# Altium PCB distance_sensor.PcbDoc
Units mil, origin at the board's own origin, x right, y up, seen from the top; angles counter-clockwise.
Board outline 2204.72 x 1102.36 mil, 4 copper layers (Top Layer, Layer 1, Layer 2, Bottom Layer), stack 62.449 mil thick; 56 components, 45 nets, 178 pads, 168 vias.
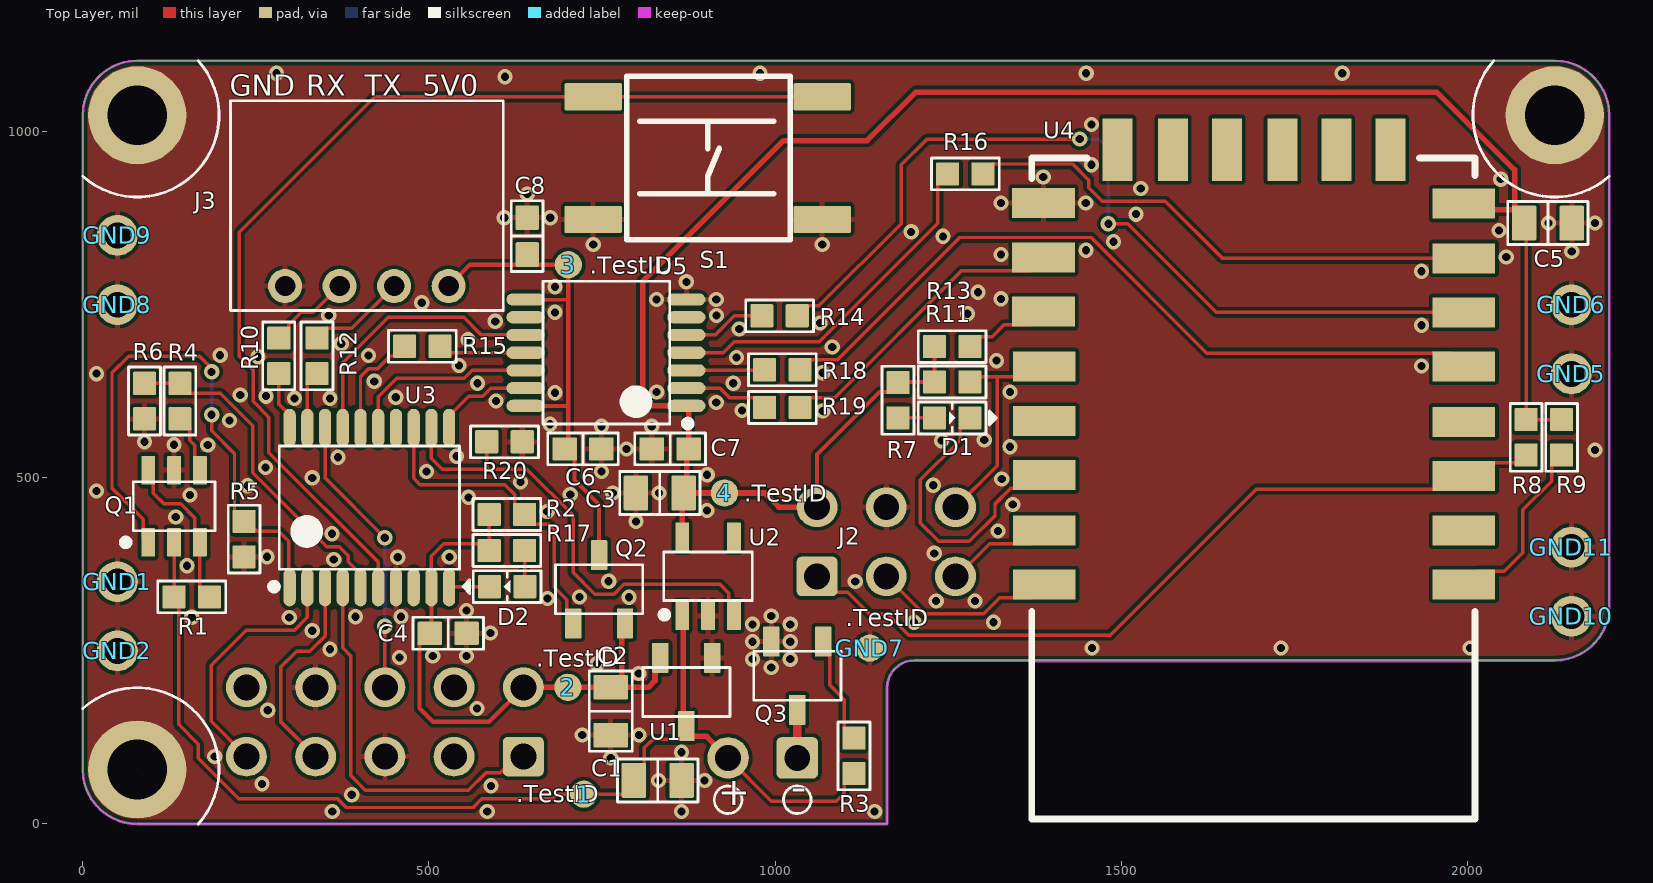
[diagram p0: Top Layer view]
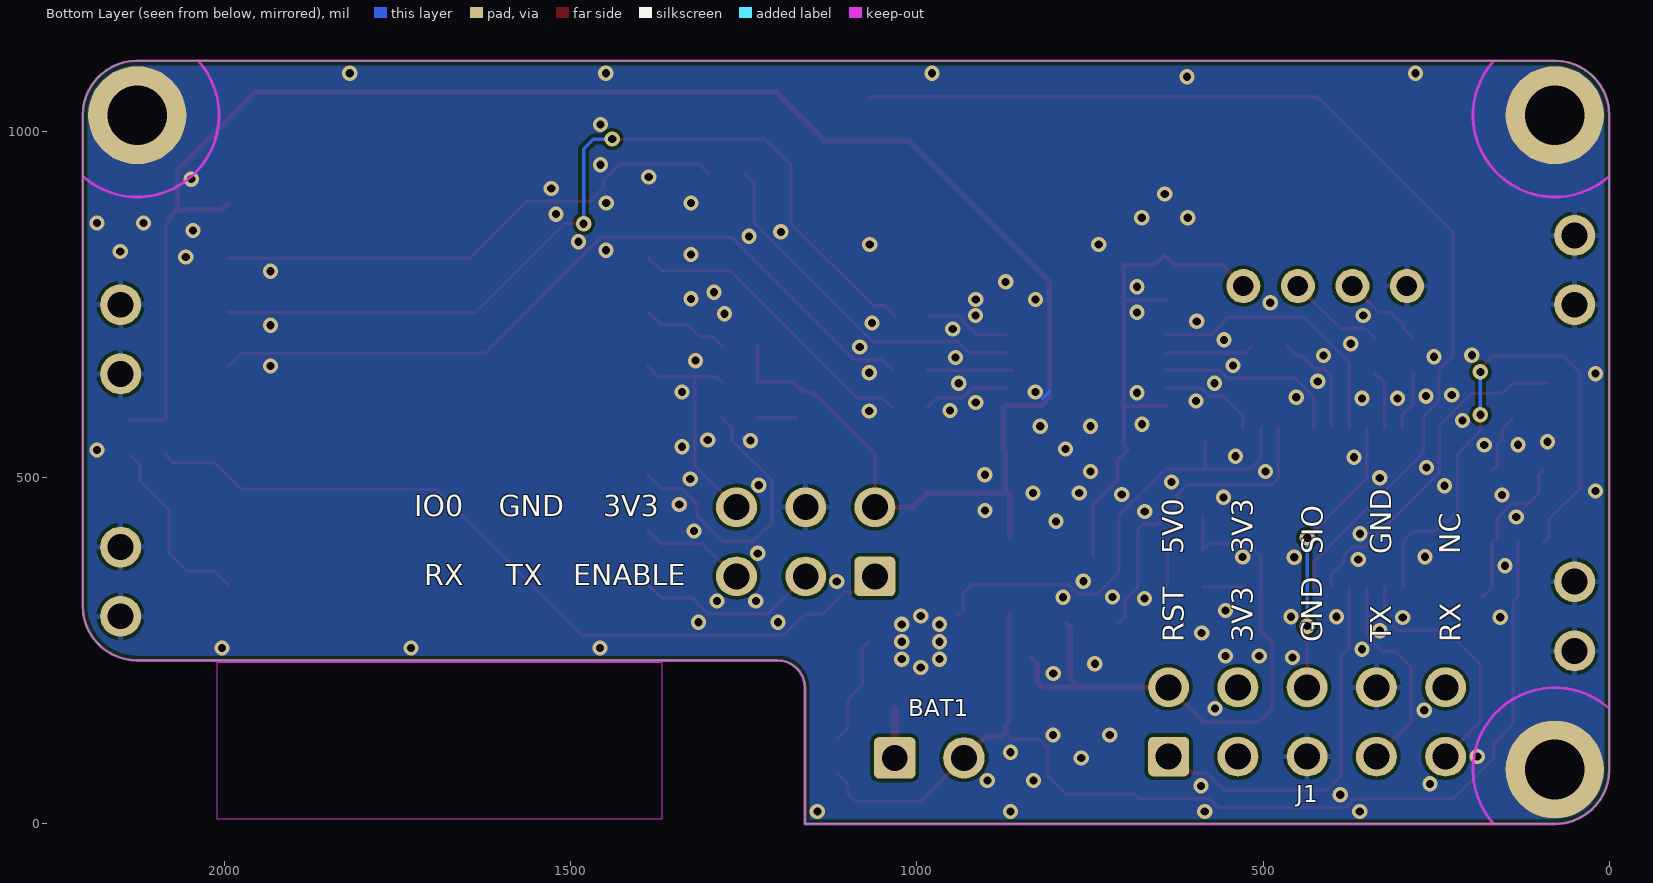
[diagram p1: Bottom Layer view, seen from below]
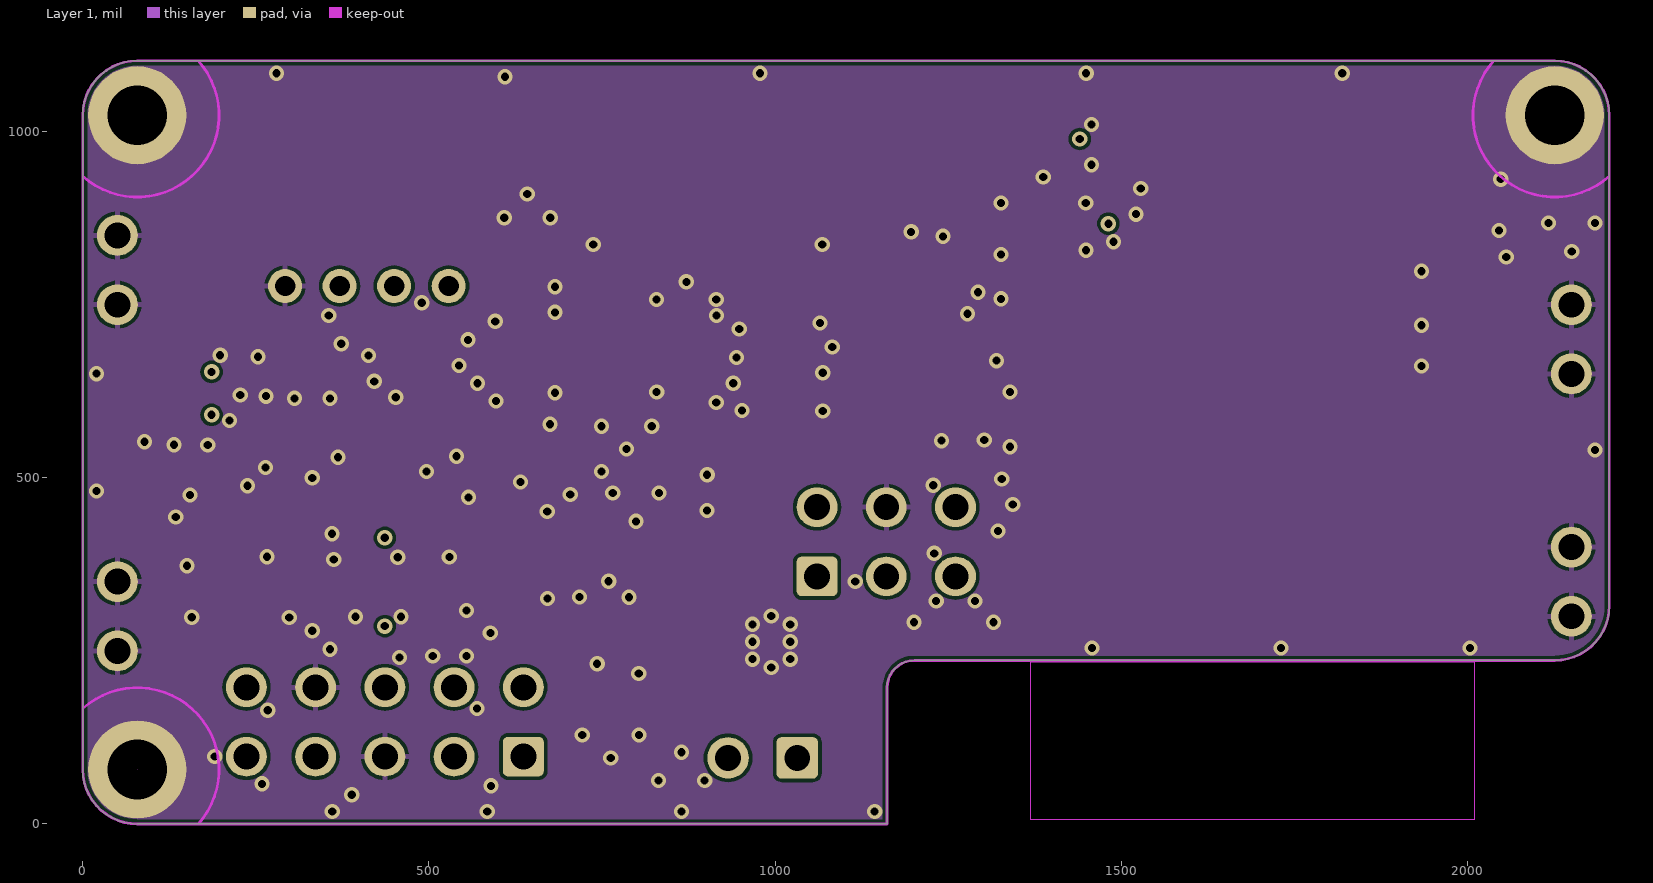
[diagram p2: Layer 1]
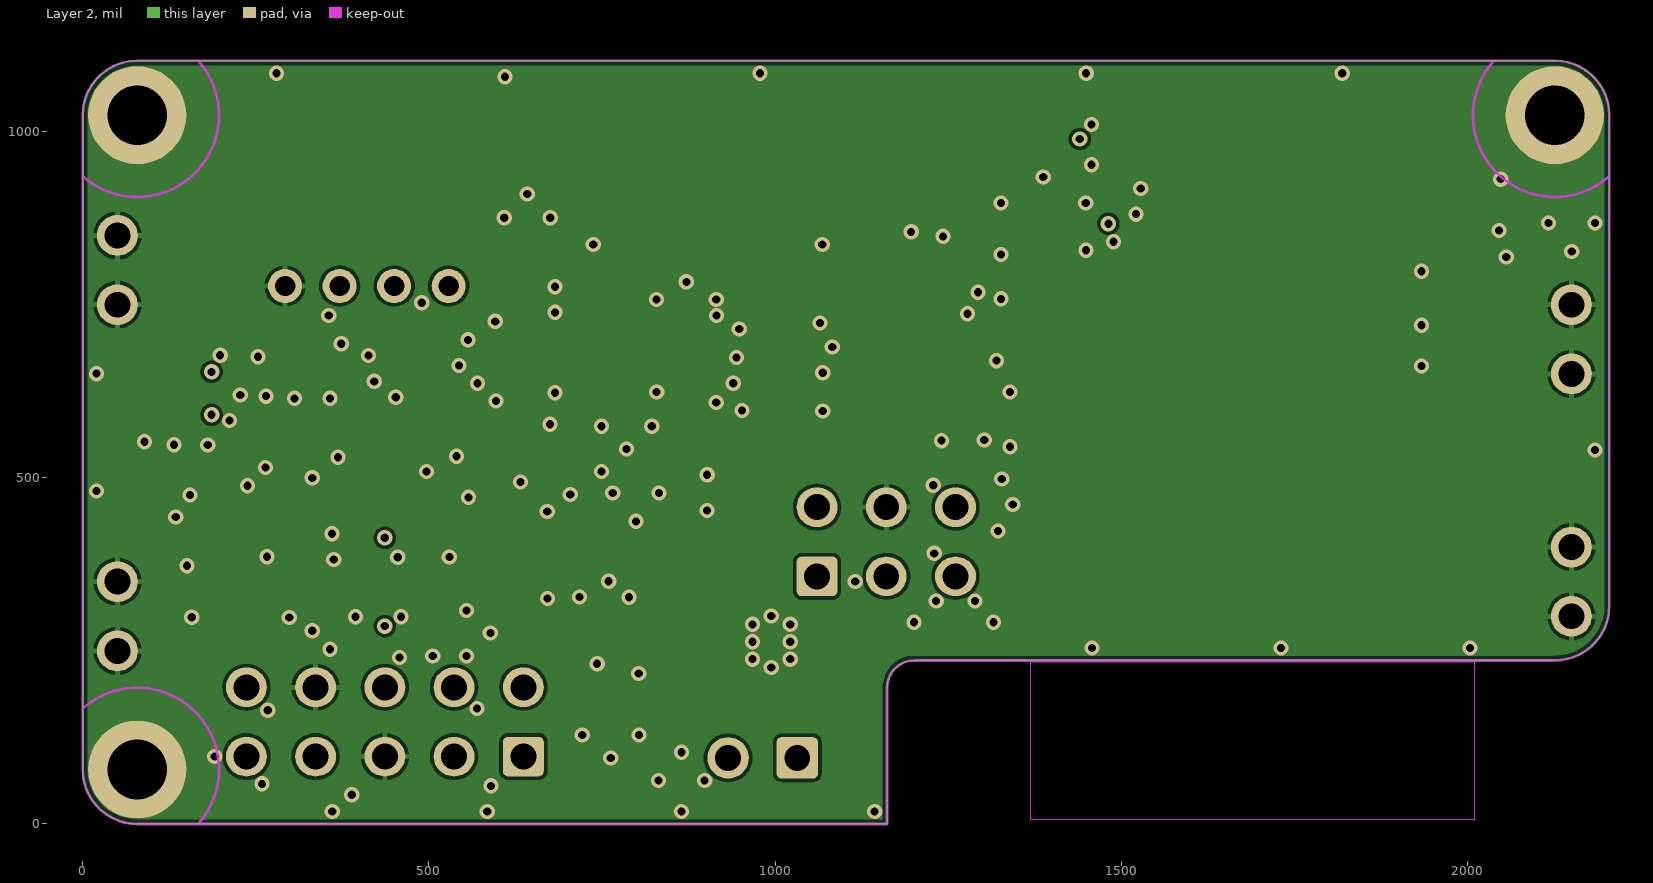
[diagram p3: Layer 2]
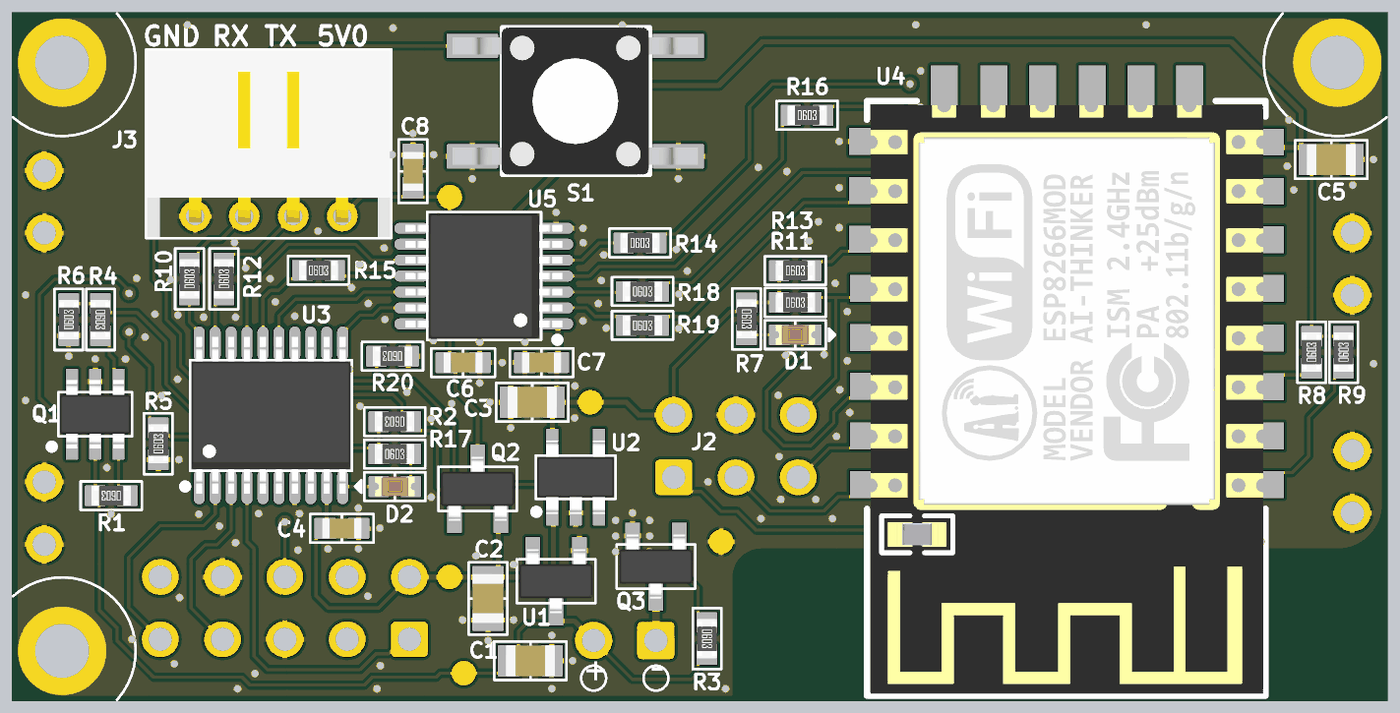
[diagram p4: 3D render of the assembled board from above, using the file's embedded part models]

## Layer stack, top to bottom
Top Solder: solder mask 0.8, SM-001, Dk 3.8
Top Layer: signal copper 1.378
Dielectric 2: prepreg 8.2835, PP-006, Dk 4.6
Layer 1: signal copper 0.5984
Dielectric 1: core 41.9291, Core-043, Dk 4.6
Layer 2: signal copper 0.5984
Dielectric 3: prepreg 8.2835, PP-006, Dk 4.6
Bottom Layer: signal copper 1.378
Bottom Solder: solder mask 0.8, SM-001, Dk 3.8

## Board outline
0,78.74 ccw(c78.74,78.74) 78.74,0 1161.73,0 1161.73,196.85 cw(c1201.1,196.85) 1201.1,236.22 2125.98,236.22 ccw(c2125.98,314.96) 2204.72,314.96 2204.72,1023.62 ccw(c2125.98,1023.62) 2125.98,1102.36 78.74,1102.36 ccw(c78.74,1023.62) 0,1023.62

## Design rules (kind name [scope] priority, off if disabled: settings)
BoardOutlineClearance [(Not Layer='Top Overlay') And (Not Layer='Bottom Overlay')] p1: gap=7.87 ignorepadtopadclearanceinfootprint=FALSE
Clearance [All] p1: gap=5 ignorepadtopadclearanceinfootprint=FALSE
ComponentClearance [All] p1: gap=6 collisioncheckmode=3 verticalgap=10 showdistances=FALSE
DiffPairsRouting [All] p1: maxlimit=10 minlimit=6 mostfreqgap=6 toplayer_minwidth=6 toplayer_maxwidth=15 toplayer_prefwidth=6 midlayer1_minwidth=6 midlayer1_maxwidth=15 midlayer1_prefwidth=6 midlayer2_minwidth=6 midlayer2_maxwidth=15 midlayer2_prefwidth=6 bottomlayer_minwidth=6 bottomlayer_maxwidth=15 bottomlayer_prefwidth=6 maxuncoupledlength=500
Height [All] p1: minheight=0 maxheight=39370.08 prefheight=500
HoleSize [All] p1: absolutevalues=TRUE maxlimit=137.8 minlimit=11.81 maxpercent=80.000 minpercent=20.000
MatchedLengths USB_MatchedLengths [InDifferentialPair('USB_D')] p1: tolerance=1000 checknetsindiffpair=TRUE checkdiffpairvsdiffpair=FALSE checkxsignals=FALSE checkothers=FALSE usedelayunits=TRUE delaytolerance=100.000000
MinimumAnnularRing [All] p1: minimumring=5.12
MinimumSolderMaskSliver [All] p1: minsoldermaskwidth=3.94
PolygonConnect PolygonConnect_GNDs [InNet('GND') AND IsVia] p1: connectstyle=Direct reliefconductorwidth=10 reliefentries=4 polygonreliefangle="90 Angle" airgapwidth=10
PolygonConnect PolygonConnect_5V0 [InNet('5V0')] p2: connectstyle=Direct reliefconductorwidth=10 reliefentries=4 polygonreliefangle="90 Angle" airgapwidth=10
PolygonConnect [All] p3: connectstyle=Relief reliefconductorwidth=8 reliefentries=4 polygonreliefangle="90 Angle" airgapwidth=5
RoutingVias [All] p1: holewidth=28 width=50 viastyle="Through Hole" minholewidth=28 minwidth=50 maxholewidth=28 maxwidth=50 useviatemplates=TRUE viatemplateguid#1={5EB3F9BA-0AF8-45F1-97F0-757BA6180F07} viatemplateguid#2={04D04901-D570-4B55-AAA3-EBBE5F0C72E5} viatemplateguid#3={AC456A95-250B-4566-B124-22D40CE62818} viatemplateguid#4={4828A57B-8FA2-403F-AF74-A9B4A8E674C8} viatemplatename#1=GND_PIN viatemplatename#2=GND_VIA viatemplatename#3=PWR_VIA viatemplatename#4=SIGNAL_VIA
SilkToSilkClearance [False] p1: silktosilkclearance=10
SilkToSolderMaskClearance [False] p1: minsilkscreentomaskgap=10 clearancetoexposedcopper=TRUE
SolderMaskExpansion [All] p1: expansion=1.5 istentingtop=FALSE
Width [All] p1: maxlimit=100 minlimit=5 preferedwidth=10 toplayer_prefwidth=5 midlayer1_minwidth=10 midlayer1_maxwidth=10 midlayer2_minwidth=10 midlayer2_maxwidth=10 bottomlayer_prefwidth=5 minimp=50.000000 maximp=50.000000 favimp=50.000000
23 further rules are at their usual default settings.

## Components (designator, comment, footprint, x,y, rotation, side; value= is the part's Value field where it differs from the comment)
1 "TESTPOINT" TESTPOINT 723.62,43 r0 top
2 "TESTPOINT" TESTPOINT 700.69,197.43 r0 top
3 "TESTPOINT" TESTPOINT 701.25,807.78 r0 top
4 "TESTPOINT" TESTPOINT 926.77,478.06 r0 top
BAT1 "BATTERY" 2X0.1HEADER 982,95.5 r180 bottom
C1 "2.2u" "CAP 0805_2012" 830.44,62.94 r180 top
C2 "2.2u" "CAP 0805_2012" 762.5,162.93 r90 top
C3 "2.2u" "CAP 0805_2012" 833.45,478.06 r0 top
C4 "1u" "CAP 0603_1608" 527.82,275.47 r180 top
C5 "100n" "CAP 0805_2012" 2116.18,867.92 r180 top
C6 "100n" "CAP 0603_1608" 722.5,541.78 r180 top
C7 "100n" "CAP 0603_1608" 848.39,541.78 r0 top
C8 "100n" "CAP 0603_1608" 641.93,849.07 r270 top
D1 "" "SMT_LED 0603_RED" 1255.72,586.44 r0 top
D2 "" "SMT_LED 0603_RED" 613,342.75 r180 top
GND1 "TESTPOINT" TESTPAD 50,350 r0 top
GND2 "TESTPOINT" TESTPAD 50,250 r0 top
GND5 "TESTPOINT" TESTPAD 2150,650 r0 top
GND6 "TESTPOINT" TESTPAD 2150,750 r0 top
GND7 "TESTPOINT" TESTPOINT 1136.8,254.07 r0 top
GND8 "TESTPOINT" TESTPAD 50,750 r0 top
GND9 "TESTPOINT" TESTPAD 50,850 r0 top
GND10 "TESTPOINT" TESTPAD 2150,300 r0 top
GND11 "TESTPOINT" TESTPAD 2150,400 r0 top
J1 "CH32_PROG" CH32_PROG 436.3,147.43 r180 bottom
J2 "ESP_PROG" ESP_PROG 1160.55,407.61 r0 top
J3 "RCWL-1670" JST_PH_4WAY 292.26,777 r0 top
Q1 "MOSFET-NP" DMG6601LVT 131.88,458.84 r90 top
Q2 "MOSFET-P" SOT95P230X110-3L 745.75,339 r0 top
Q3 "MOSFET-N" SOT95P230X110-3L 1032,214.17 r180 top
R1 "20K" "RES 0603_1608" 157.47,328 r180 top
R2 "20K" "RES 0603_1608" 612.59,447 r180 top
R3 "20K" "RES 0603_1608" 1114,98.41 r270 top
R4 "10K" "RES 0603_1608" 140.29,610.86 r270 top
R5 "20K" "RES 0603_1608" 233.1,411.41 r90 top
R6 "10K" "RES 0603_1608" 89.25,610.86 r90 top
R7 "4.7K" "RES 0603_1608" 1177.46,612.03 r270 top
R8 "10K" "RES 0603_1608" 2084.68,558.51 r90 top
R9 "10K" "RES 0603_1608" 2135.86,558.51 r90 top
R10 "22r" "RES 0603_1608" 283.13,676.18 r90 top
R11 "10K" "RES 0603_1608" 1255.72,638.41 r0 top
R12 "22r" "RES 0603_1608" 338.4,676.18 r90 top
R13 "10K" "RES 0603_1608" 1255.72,689.53 r0 top
R14 "22r" "RES 0603_1608" 1006.41,734 r0 top
R15 "22r" "RES 0603_1608" 490.41,690 r0 top
R16 "22r" "RES 0603_1608" 1274.77,938.98 r0 top
R17 "4.7K" "RES 0603_1608" 612.59,395 r0 top
R18 "22r" "RES 0603_1608" 1010.41,656.06 r0 top
R19 "22r" "RES 0603_1608" 1010.41,601.58 r0 top
R20 "20K" "RES 0603_1608" 609.16,552 r180 top
S1 "4-1437565-1" FSM-SWITCH 902.61,961.73 r90 top
U1 "AP2210-5.0" SOT95P230X110-3L 871.72,190.75 r180 top
U2 "NCV8711" SOT23-5 903.12,357.81 r90 top
U3 "CH32V003" TSOP20-127P600-8N 413.97,457.01 r90 top
U4 "ESP8266 ESP-12-F" "ESP8266 ESP-12-E" 1345.65,991.92 r180 top
U5 "TXB0104" TSOP14-127P600-8N 755.67,680.72 r180 top

## Footprints (in the part's own frame and the unit in brackets; to place one, negate y for a bottom-side part, rotate by r counter-clockwise, add the part's x,y. Pads: shape width x height; smd on the part's side, far side on the other; paste and mask are expansions set on the pad)
2X0.1HEADER [mil] "2 x 0.1 inch header"
  rrect25% 60x60 hole 37.4: VNEG(-50,0)
  round 60 hole 37.4: VPOS(50,0)
"CAP 0603_1608" [mm] "Chip Capacitor, 2-Leads, Body 1.60x0.80mm, IPC Medium Density"
  rrect10% 0.9x0.85 smd: 1(-0.675,0) 2(0.675,0)
  silkscreen extent -1.3,-0.58 1.3,0.58, body extent -0.8,-0.41 0.8,0.41, height 0.82
"CAP 0805_2012" [mm] "Chip Capacitor, 2-Leads, Body 2.00x1.20mm, IPC Medium Density"
  rrect10% 0.9x1.275 smd: 1(-0.876,0) 2(0.876,0)
  silkscreen extent -1.47,-0.79 1.47,0.79, body extent -1,-0.64 1,0.64, height 1.26
CH32_PROG [mm]
  rrect25% 1.5x1.45 hole 0.95: 1(-5.08,-1.27)
  oval 1.5x1.45 hole 0.95: 2(-2.54,-1.27) 3(0,-1.27) 4(2.54,-1.27) 5(5.08,-1.27) 6(5.08,1.27) 7(2.54,1.27) 8(0,1.27) 9(-2.54,1.27) 10(-5.08,1.27)
DMG6601LVT [mm]
  rrect10% 1.05x0.5 smd: 1(-1.325,0.95) 2(-1.325,0) 3(-1.325,-0.95) 4(1.325,-0.95) 5(1.325,0) 6(1.325,0.95)
  silkscreen extent -1.45,-1.5 0.9,1.9, body extent -1.4,-1.45 1.4,1.45, height 1
"ESP8266 ESP-12-E" [mm] "ESP8266 ESP-12-E"
  rrect1% 2.3x1.1 smd: 1(-16.486,16.408) 2(-16.486,14.427) 3(-16.486,12.421) 4(-16.486,10.439) 5(-16.486,8.407) 6(-16.486,6.426) 7(-16.486,4.445) 8(-16.486,2.438) 15(-1.065,2.413) 16(-1.065,4.42) 17(-1.065,6.401) 18(-1.091,8.407) 19(-1.091,10.414) 20(-1.091,12.395) 21(-1.091,14.427) 22(-1.091,16.408)
  rrect1% 1.1x2.3 smd: 9(-13.792,0.456) 10(-11.811,0.456) 11(-9.83,0.456) 12(-7.798,0.456) 13(-5.817,0.456) 14(-3.785,0.456)
  Keep-Out Layer region: -16.891,19.252 -0.583,19.252 -0.583,25.019 -16.891,25.019
  silkscreen extent -16.89,0.76 -0.64,25.02, body extent -16.79,0.94 -0.79,24.94, height 3.17
ESP_PROG [mm]
  rrect25% 1.5x1.45 hole 0.95: 1(-2.54,-1.27)
  oval 1.5x1.45 hole 0.95: 2(0,-1.27) 3(2.54,-1.27) 4(2.54,1.27) 5(0,1.27) 6(-2.54,1.27)
FSM-SWITCH [mm]
  rrect10% 1x2.1 smd: 1(-2.25,4.2) 1(-2.25,-4.2) 2(2.25,4.2) 2(2.25,-4.2)
  silkscreen extent -3,-3.03 3,2.97, body extent -3,-5 3,5, height 5.07
JST_PH_4WAY [mm]
  round 1.25 hole 0.75: 1(0,0) 2(2,0) 3(4,0) 4(6,0)
  silkscreen extent -2,-0.9 8,6.8, body extent -1.95,-0.85 7.95,6.75, height 0.4
"RES 0603_1608" [mm] "Chip Resistor, 2-Leads, Body 1.60x0.80mm, IPC Medium Density"
  rrect10% 0.85x0.85 smd: 1(-0.65,0) 2(0.65,0)
  silkscreen extent -1.24,-0.58 1.24,0.58, body extent -0.8,-0.4 0.8,0.4, height 0.45
"SMT_LED 0603_RED" [mm] "Chip Diode, 2-Leads, Body 1.60x0.80mm, IPC Medium Density"
  rrect10% 0.85x0.85 smd: 1(0.65,0) 2(-0.65,0)
  silkscreen extent -1.24,-0.58 1.63,0.58, body extent -0.8,-0.4 0.8,0.4, height 0.53
SOT23-5 [mm] "SOT23, 5-Leads, Body 3.00x2.75mm, Pitch 0.95mm, IPC Medium Density"
  rrect10% 1.05x0.5 smd: 1(-1.45,0.95) 2(-1.45,0) 3(-1.45,-0.95) 4(1.45,-0.95) 5(1.45,0.95)
  silkscreen extent -1.54,-1.63 0.89,1.73, body extent -1.5,-1.58 1.5,1.58, height 1
SOT95P230X110-3L [mm] "SOT23, 3-Leads, Body 2.90x2.30mm, Pitch 0.95mm, IPC High Density"
  rrect10% 0.6x1.1 smd: 1(-0.95,-1.25) 2(0.95,-1.25) 3(0,1.25)
  silkscreen extent -1.6,-0.9 1.6,0.9, body extent -1.5,-1.3 1.5,1.3, height 1.1
TESTPAD [mm]
  round 1.5 hole 0.95: 1(0,0)
TESTPOINT [mm]
  round 1 smd paste-900: 1(0,0)
TSOP14-127P600-8N [mm] "TSOP 14"
  oval 1.4x0.45 smd: 1(-2.95,1.95) 2(-2.95,1.3) 3(-2.95,0.65) 4(-2.95,0) 5(-2.95,-0.65) 6(-2.95,-1.3) 7(-2.95,-1.95) 8(2.95,-1.95) 9(2.95,-1.3) 10(2.95,-0.65) 11(2.95,0) 12(2.95,0.65) 13(2.95,1.3) 14(2.95,1.95)
  silkscreen extent -3.13,-2.62 2.31,2.72, body extent -3.2,-2.55 3.2,2.55, height 1.2
TSOP20-127P600-8N [mm] "TSOP-20"
  oval 1.4x0.45 smd: 1(-2.925,2.925) 2(-2.925,2.275) 3(-2.925,1.625) 4(-2.925,0.975) 5(-2.925,0.325) 6(-2.925,-0.325) 7(-2.925,-0.975) 8(-2.925,-1.625) 9(-2.925,-2.275) 10(-2.925,-2.925) 11(2.925,-2.925) 12(2.925,-2.275) 13(2.925,-1.625) 14(2.925,-0.975) 15(2.925,-0.325) 16(2.925,0.325) 17(2.925,0.975) 18(2.925,1.625) 19(2.925,2.275) 20(2.925,2.925)
  silkscreen extent -3.02,-3.3 2.26,3.62, body extent -3.2,-3.25 3.2,3.25, height 1.1

## Part data
C1 C2 C3 C5: library part CAP_CERAMIC, "MLCC", Package=0805
C4 C6 C7 C8: library part CAP_CERAMIC, "MLCC", Package=0603
D1 D2: library part LED, "LED"
Q1: "N/P Channel MOSFET", LCSC Part Number=C500791, Manufacturer Part Number=DMC2400UV-13
Q2: "P Channel MOSFET. 300mA", LCSC Part Number=C412516, Manufacturer Part Number=DMP3099L-13
Q3: "N Channel MOSFET. 300mA"
R1 R2 R3 R5 R7 R8 R9 R10 R11 R12 R13 R14 R15 R16 R17 R18 R19 R20: library part RESISTOR, "Resistor", Package=0603, Power=125mW, Tolerance=5%
R4 R6: library part RESISTOR, "Resistor", Package=0603, Power=125mW, Tolerance=1%
S1: library part BUTTON, "6x6mm SMD tactile switch,SPST-NO", Manufacturer_Name="TE Connectivity", RS Part Number=1616046, Allied_Number=R1117787, Datasheet Link=http://uk.rs-online.com/web/p/products/1616046, Manufacturer_Part_Number=4-1437565-1
U1: library part LDO_5V, "5v LDO, 100mA"
U2: "3.3v LDO", Manufacturer Part Number=MC33375ST−3.3T3G
U3: "MCU"
U5: "Level shifter"
1: TestID=9V0
2: TestID=5V0
3: TestID=5VS
4: TestID=3V3
GND1 GND2 GND5 GND6 GND7 GND8 GND9 GND10 GND11: TestID=GND

## Free pads (board coordinates)
  round 141.73 hole 86.61 mask+0: 1(78.74,78.74) 1(78.74,1023.62) 1(2125.98,1023.62)

## Via types
v1: diameter 22.05, hole 11.81, Top Layer to Bottom Layer, tented both sides, 168 vias

## Nets (pads, with @x,y where several pads share a name; then routed paths per layer and width w, separated by ;. In a path a pad name is that pad's centre, name@x,y a point inside that pad or via, vN(x,y) a via of type N, cw(c..) or ccw(c..) an arc to the next point about the centre after c; other vN are vias at no path point)
3V3: 4.1 C3.2 C5.2 C7.2 J2.6 R7.1 R8.2 R9.2 R11.1 R13.1 U2.5 U4.8 U5.1 | length 2885.8
  Top Layer w5: C5.2 2084.68,864.92 R8.2 R9.2
  Top Layer w6: J2.6 1060.55,533.55 1150.89,623.89 1163.73,623.89 R7.1 1178.25,638.41 R11.1 R13.1
  Top Layer w8: U2.5 865.72,475.83 C3.2 ; J2.6 1005.4,457.61 984.94,478.06 4.1 C3.2 ; U4.8 2003.34,887.29 2067.97,887.29 2081.68,873.57 2081.68,870.75 C5.2 ; C5.2@2068.06,887.29 2068.06,944.61 1955.52,1057.15 1203.15,1057.15 1133,987 1012.29,987 808.64,783.35 808.64,615.88 820.57,603.95 U5.1 874.97,600.8 C7.2 872.63,539.45 872.63,482.75 C3.2
3V3_EN: R20.2 U2.3 U3.12 | length 689.1
  Top Layer w5: U3.12 503.54,528.48 519.47,512.54 583.57,512.54 ; R20.2 583.57,512.54 ; U2.3 933.18,308.07 933.18,333.23 920.42,345.99 781.21,345.99 767.23,332.01 739.42,332.01 708.15,363.28 708.15,445.81 641.42,512.54 583.57,512.54
5V0: 2.1 C2.2 C4.2 J1.10 Q2.2 R2.2 R17.1 U1.2 U3.9 | length 883.4
  Top Layer w5: U3.9 503.54,386.48 521.62,404.57 577.43,404.57 R17.1 R2.2
  Top Layer w6: C4.2@500.26,275.47 486.53,261.74 486.53,167.21 506.05,147.69 586.56,147.69 J1.10 ; C4.2 503.54,277.76 U3.9
  Top Layer w8: J1.10 2.1 764.95,197.43 778.67,211.14 778.67,285.31 Q2.2 ; C2.2@763.15,197.43 816.95,197.43 826.5,206.98 826.5,232.15 U1.2
5V0SW: 3.1 C6.2 C8.2 J3.4 Q2.3 U5.8 U5.14 | length 764.7
  Top Layer w5: U5.8 701.25,757.5
  Top Layer w6: J3.4 559.26,807.78 627.7,807.78 C8.2@641.93,822.01 ; U5.14 701.25,603.95 ; C8.2 C8.2@641.93,822.01 ; Q2.3 745.75,461.31 710.26,496.8 710.26,525.55 694.97,540.84 701.25,547.11 701.25,603.95 ; C8.2@641.93,822.01 641.93,821.52 655.66,807.78 3.1 701.25,757.5 701.25,603.95
5V0SW_EN: Q2.1 R2.1 U3.13 | length 462
  Top Layer w5: U3.13 477.94,499.38 487.07,490.26 609.6,490.26 623.95,475.91 623.95,461.23 R2.1 652.41,432.77 673.16,432.77 681.13,424.8 681.13,341.87 699.05,323.94 699.05,299.54 Q2.1@708.82,289.77
9V0: 1.1 BAT1.VPOS C1.2 Q1.2 R1.2 R3.2 U1.3 U2.1 | length 1608.7
  Top Layer w5: Q1.2 R1.2 138.45,321.43 138.45,143.82 166.98,115.29 166.98,94.94 225.38,36.55 368,36.55 380.72,23.83 563.85,23.83 576.57,36.55 678.98,36.55 685.43,43 1.1 784.85,43 811.16,69.31 811.16,109.92 823.63,122.38 862.41,122.38 871.72,131.69 U1.3@871.72,133.57 ; BAT1.VPOS 994.5,33 1088.48,33 1099.77,44.28 1099.77,58.59 R3.2
  Top Layer w8: U2.1 867.56,298.88 867.56,145.69 U1.3 871.72,134.44 879.53,126.63 900.87,126.63 BAT1.VPOS
\RST: J1.1 U3.4 | length 545
  Top Layer w5: U3.4 375.58,254.42 386.75,243.25 386.75,70.19 408.29,48.65 556.89,48.65 582.48,74.24 603.12,74.24 J1.1@626.3,97.43
BUTTON: S1.2 U3.6 | length 1519
  Top Layer w5: U3.6 426.76,378.41 268.88,536.29 268.88,587.5 246.08,610.3 246.08,655.64 226,675.72 226,854.78 421.53,1050.31 737.26,1050.31 S1.2@1067.97,1050.31
ENABLE: J2.1 R8.1 U4.3 | length 1167
  Top Layer w5: J2.1 1083.45,334.71 1104.98,334.71 1136.8,302.88 1162.88,302.88 1193,272.77 1483.77,272.77 1694.76,483.76 1975.56,483.76 U4.3 2013.87,522.07 2073.84,522.07 R8.1
ESP_RST: R9.1 U4.1 | length 268.5
  Top Layer w5: U4.1 2013.87,365.07 2053.27,365.07 2080,391.8 2080,453.63 2121.63,495.26 2121.63,518.68 R9.1
GND: C1.1 C2.1 C3.1 C4.1 C5.1 C6.1 C7.1 C8.1 GND1.1 GND2.1 GND5.1 GND6.1 GND7.1 GND8.1 GND9.1 GND10.1 GND11.1 J1.3 J1.7 J2.5 J3.1 pad.1 Q1.5 Q3.2 R5.1 R6.1 R20.1 S1.1 U1.1 U2.2 U3.7 U4.15 U5.7 | length 36.8
  Bottom Layer w5: 808.86,623.98 818,615 ; v1@1335,456 v1(1343.12,461.59)
  Bottom Layer w8: v1(1240.23,553.68) v1@1249,557 ; v1(1456.98,1010.3) v1@1459,1006
  other v1: 360.33,18.02 584.24,18.02 864.94,18.02 1143.71,18.02 388.39,42.35 589.5,55.07 259,58 831.71,62.94 898.17,62.94 762.5,95.2 190.75,97.43 864.94,103.67 721.51,128.43 803.48,128.43 267.14,164.34 569.58,166.71 803.14,217.45 994.5,226.09 742.95,231.51 967.23,238.09 1021.9,238.09 457.4,240.6 505.56,242.71 554.4,242.7 357.16,252.49 1457.68,254.24 1730.64,254.24 2003.59,254.24 967.23,263.21 1021.9,263.21 588.71,275.95 331.47,279.19 967.23,288.34 1021.9,288.34 1200.67,291.29 1315.43,291.29 298.16,298.28 157.47,298.72 394.11,299.29 459.71,299.29 994.5,300.34 554.16,308.26 1232.56,322.16 1288.54,322.16 671.22,325.58 788.88,327.46 717.32,327.91 759.56,350.54 1115.61,350.28 150.58,373.11 362.57,382.1 454.92,385.29 529.5,385.55 266.1,386 1229.94,390.9 359.83,419.15 1321.82,423.29 798.96,437.08 134.38,443.36 670.94,451.29 901.58,452.75 557.12,471.73 154.91,475.23 704.1,476.06 765.57,478.06 832.27,478.06 20.02,481 237.95,488.64 1228.28,489.34 632.34,493.93 1327.29,498.15 331.47,499.9 901.83,504.4 496.57,509.03 749.07,509.07 264.06,514.91 368.52,529.61 539.96,531.07 2184,540 785.29,541.63 1339.14,544.84 180.45,547.54 131.88,547.62 89.25,552 1302.1,554.64 749.07,574.5 821.82,574.5 674.72,577.26 211.93,582.85 952.06,597.29 1068.76,596.58 914.93,608.74 596.97,611.02 305.88,614.72 357.06,614.72 452.19,616.33 264.6,617.97 227.55,619.62 682.23,622.98 828.86,623.98 1339.14,623.84 570.16,636.61 939.46,636.61 420.95,639.31 20.02,650.46 1068.76,651.77 1933.42,661.55 543.37,662.2 1319.71,669.21 944.31,673.66 252.99,674.92 198.44,677.09 412.63,676.62 1082.43,688.81 373.39,693.65 556.34,699.25 948.14,714.82 1933.42,720.39 1064.76,723.53 595.66,725.94 355.34,734.56 915.27,734.34 1278,737 682.09,738.97 489.63,752.93 828.66,757.55 914.96,757.55 1326.29,758.44 1293,768 682.09,776.02 871.81,783 1933.42,798.39 2056.01,819 1326.29,822.55 2150.67,826.72 1448.89,828.55 737.26,837 1067.97,837 1488.8,841.02 1242.31,848.69 1196.43,855.21 2045.46,857.25 2117,867.92 2184,867.92 608.66,875.65 675.19,875.65 1521.35,880.81 1326.29,896.92 1448.61,896.92 641.93,909.79 1527.97,917.85 2048.03,931.34 1387.33,934.46 1456.98,952.02 609.8,1079.25 279.87,1084.34 978,1084.25 1449.19,1084.25 1818.98,1084.25
GPIO0: J2.4 R11.2 U4.18 | length 330.1
  Top Layer w5: J2.4 1320.62,517.67 1320.62,646.21 ; R11.2 1289.11,646.21 1320.62,646.21 ; U4.18 1373.88,646.21 1320.62,646.21
GPIO2: R13.2 U4.17 | length 127.1
  Top Layer w5: R13.2 1295.55,703.76 1313.36,703.76 1330.36,720.76 1368.44,720.76 U4.17
LED1: D2.1 U3.10 | length 58.7
  Top Layer w5: U3.10@530.03,342.75 D2.1
  Top Layer w6: U3.10 U3.10@530.03,342.75
LED1a: D2.2 R17.2 | length 52.4
  Top Layer w5: R17.2 638.18,343.16 D2.2
LED2: D1.1 U4.20 | length 420.6
  Top Layer w5: D1.1 1267.08,572.21 1267.08,554.34 1209.76,497.02 1209.76,434.79 1236.23,408.32 1280.66,408.32 1317.55,445.21 1317.55,462.21 1340.1,484.76 1369.44,484.76 U4.20
LED2a: D1.2 R7.2 | length 56.7
  Top Layer w5: R7.2@1173.46,586.44 D1.2
RPP_G: Q3.1 R3.1 | length 157.9
  Top Layer w5: Q3.1 1078.71,254.07 1078.71,200.79 1099.77,179.73 1099.77,138.23 R3.1
RX: J1.4 U3.3 | length 303.1
  Top Layer w5: J1.4 285.66,148.06 285.66,226.1 308.91,249.35 327.83,249.35 349.99,271.51 U3.3
RXD0: J2.3 U4.21 | length 155.5
  Top Layer w5: J2.3 1263.03,357.61 1310.19,404.76 1369.44,404.76 U4.21
SNS_RX: R12.1 U3.19 | length 84.2
  Top Layer w5: U3.19 324.4,636.59 R12.1
SNS_RXr: J3.3 R12.2 | length 142.5
  Top Layer w5: R12.2 352.63,716.01 388.74,716.01 J3.3
SNS_TX: R10.1 U3.20 | length 84.9
  Top Layer w5: R10.1 283.13,606.55 298.81,590.87 U3.20
SNS_TXr: J3.2 R10.2 | length 122
  Top Layer w5: R10.2 297.36,716.01 297.36,721.06 315.46,739.17 333.17,739.17 J3.2
SPI_CLK: U3.15 U5.12 | length 273.5
  Top Layer w5: U3.15 426.76,617.1 453.34,643.68 551.04,643.68 562.49,655.13 U5.12
SPI_CLKA: R18.1 U5.3 | length 123
  Top Layer w5: U5.3@861.81,655.13 U5.3 R18.1@984.82,655.13
SPI_CLKB: R18.2 U4.5 | length 1114.9
  Top Layer w5: R18.2 1050.23,670.29 1090.1,670.29 1266.88,847.07 1456.56,847.07 1623.56,680.07 1975.56,680.07 U4.5
SPI_CS: U3.11 U5.13 | length 144.6
  Top Layer w5: U3.11 529.13,589.91 557.29,618.08 577.83,618.08 589.3,629.54 U5.13
SPI_CSA: R19.1 U5.2 | length 124.6
  Top Layer w5: U5.2 920.33,629.54 934.05,615.82 970.59,615.82 R19.1
SPI_CSB: R19.2 U4.16 | length 441.2
  Top Layer w5: R19.2 1050.23,615.82 1086.17,615.82 1269.12,798.76 1368.44,798.76 U4.16
SPI_MISO: U3.17 U5.10 | length 395.4
  Top Layer w5: U3.17 375.58,665.96 441.27,731.65 550.14,731.65 575.47,706.31 U5.10
SPI_MISOA: R14.1 U5.5 | length 120.5
  Top Layer w5: U5.5 913.44,706.31 941.05,733.92 R14.1 R14.1
SPI_MISOB: R14.2 U4.6 | length 1285.2
  Top Layer w5: R14.2 1046.23,748.23 1063.26,748.23 1182,866.97 1182,951.94 1219.3,989.25 v1(1440,989.25) ; v1(1481.27,867) 1509,867 1637.08,738.92 U4.6
  Bottom Layer w5: v1(1440,989.25) 1467.15,989.25 1481.27,975.13 v1(1481.27,867)
SPI_MOSI: R15.1 U3.16 | length 155.5
  Top Layer w5: U3.16 401.17,645.73 413.28,657.83 426.26,657.83 444.33,675.9 450.72,675.9 R15.1
SPI_MOSIA: R16.1 U5.4 | length 517.9
  Top Layer w5: U5.4 925.18,680.72 940.75,696.3 1063.71,696.3 1234.95,867.53 1234.95,924.75 R16.1
SPI_MOSIB: R16.2 U4.7 | length 763.1
  Top Layer w5: R16.2 1314.6,953.21 1429.59,953.21 1452.78,930.02 1452.78,919.15 1472.6,899.33 1563.69,899.33 1646.1,816.92 U4.7
SPI_MOSIC: R15.2 U5.11 | length 127.4
  Top Layer w5: R15.2 525.28,680.72 U5.11
SWIO: J1.8 U3.18 | length 410.5
  Top Layer w5: U3.18 349.99,499.66 v1(436.3,413.35) ; J1.8 v1(436.3,285.74)
  Bottom Layer w5: v1(436.3,285.74) v1(436.3,413.35)
TX: J1.5 U3.2 | length 364
  Top Layer w5: J1.5 185.5,148.22 185.5,229.39 235.87,279.75 305.84,279.75 324.4,298.32 U3.2
TXD0: J2.2 U4.22 | length 267.9
  Top Layer w5: J2.2 1214.52,303.63 1301.58,303.63 1324.71,326.76 1369.44,326.76 U4.22
VBAT_SNS: R4.1 R6.2 U3.5 | length 490.2
  Top Layer w5: R6.2 R4.1 154.52,622.22 198.76,622.22 245.54,575.44 245.54,507.24 352.16,400.63 370.24,400.63 383.21,387.66 383.21,378.87 401.17,360.91 U3.5
VBAT_SNS_EN: Q1.1 R5.2 U3.1 | length 813.2
  Top Layer w5: Q1.1 87.14,414.01 87.14,440.21 42.27,485.08 42.27,651.51 66.3,675.54 168.59,675.54 v1@191.13,653 ; v1(186.13,591) 186.13,568.05 219.16,535.02 219.16,450.93 R5.2 ; R5.2@233.4,437 238,437 252.23,422.77 283.23,422.77 297.81,408.19 297.81,342.85 U3.1
  Bottom Layer w5: v1(186.13,591) v1(186.13,653)
VBAT_SNS_HI: Q1.4 R4.2 | length 86.3
  Top Layer w5: R4.2 154.52,571.04 154.52,554.33 161.94,546.9 161.94,518.34 Q1.4
VBAT_SNS_PG: Q1.3 Q1.6 R1.1 | length 234
  Top Layer w5: Q1.6 101.82,503.66 101.82,477.86 117.31,462.38 141.57,462.38 161.94,442 161.94,414.01 Q1.3 169.11,406.49 169.11,341.96 R1.1
VBGND: BAT1.VNEG Q3.3 | length 69.5
  Top Layer w12: BAT1.VNEG Q3.3
pads on no net: J1.2 J1.6 J1.9 U2.4 U3.8 U3.14 U4.2 U4.4 U4.9 U4.10 U4.11 U4.12 U4.13 U4.14 U4.19 U5.6 U5.9

## Polygon pours and split planes (outlines as drawn)
GND on Top Layer "GND_TOP" (solid, remove dead copper, pour order 10): 0,0 0,1102.36 2204.72,1102.36 2204.72,236.22 1201.1,236.22 ccw(c1201.15,196.81) 1161.73,196.85 1161.73,0
GND on Layer 1 "GND_TOP" (solid, remove dead copper, pour order 6): 0,0 0,1102.36 2204.72,1102.36 2204.72,236.22 1201.1,236.22 ccw(c1201.1,196.85) 1161.73,196.85 1161.73,0
GND on Layer 2 "GND_TOP" (solid, remove dead copper, pour order 7): 0,0 0,1102.36 2204.72,1102.36 2204.72,236.22 1201.1,236.22 ccw(c1201.1,196.85) 1161.73,196.85 1161.73,0
GND on Bottom Layer "GND_TOP" (solid, remove dead copper, pour order 8): 0,0 0,1102.36 2204.72,1102.36 2204.72,236.22 1201.1,236.22 ccw(c1201.1,196.85) 1161.73,196.85 1161.73,0

## Keep-outs
Keep-Out Layer:
  region: 78.74,78.74
  region: 78.74,78.74
  lines w4: 0,166.77 cw(c78.74,78.74) 166.77,0 ; 0,935.59 ccw(c78.74,1023.62) 166.77,1102.36 ; 2037.95,1102.36 ccw(c2125.98,1023.62) 2204.72,935.59 ; 0,1023.62 cw(c78.74,1023.62) 78.74,1102.36 2125.98,1102.36 cw(c2125.98,1023.62) 2204.72,1023.62 2204.72,314.96 cw(c2125.98,314.96) 2125.98,236.22 1201.1,236.22 ccw(c1201.1,196.85) 1161.73,196.85 1161.73,0 78.74,0 cw(c78.74,78.74) 0,78.65 0,1023.62 ; 0,1023.62 0,1023.62

## Other copper
Top Layer:
  region net GND: 78.74,78.74

## Silkscreen, mask and mechanical layers (free items; w line width, h text height)
Top Overlay:
  circle w4: c1032,35 r20
  circle w4: c932,35 r20
  lines w4: 0,166.77 cw(c78.74,78.74) 166.77,0 ; 0,935.59 ccw(c78.74,1023.62) 166.77,1102.36 ; 2037.95,1102.36 ccw(c2125.98,1023.62) 2204.72,935.59
  text "GND" at 212.01,1052 h30
  text "RX" at 323.01,1052 h30
  text "TX" at 407.01,1052 h30
  text "5V0" at 491.01,1052 h30
  text "-" at 1022.27,16.56 h80
  text "+" at 917.23,13.23 h70
Bottom Overlay:
  text "3V3" at 1452.84,444.83 h30
  text "GND" at 1603.71,444.83 h30
  text "IO0" at 1725.94,444.83 h30
  text "NC" at 214.92,389.41 h30 r270
  text "GND" at 314.92,389.41 h30 r270
  text "SIO" at 414.04,389.41 h30 r270
  text "3V3" at 514.92,389.41 h30 r270
  text "5V0" at 614.92,389.41 h30 r270
  text "ENABLE" at 1496.18,344.86 h30
  text "TX" at 1593.68,344.86 h30
  text "RX" at 1711.79,344.86 h30
  text "RX" at 214.6,262.59 h30 r270
  text "TX" at 314.6,262.59 h30 r270
  text "GND" at 414.6,262.59 h30 r270
  text "3V3" at 514.6,262.59 h30 r270
  text "RST" at 614.6,262.59 h30 r270
Board:
  the board outline again, w4